# KiCad board Console.kicad_pcb (continued)
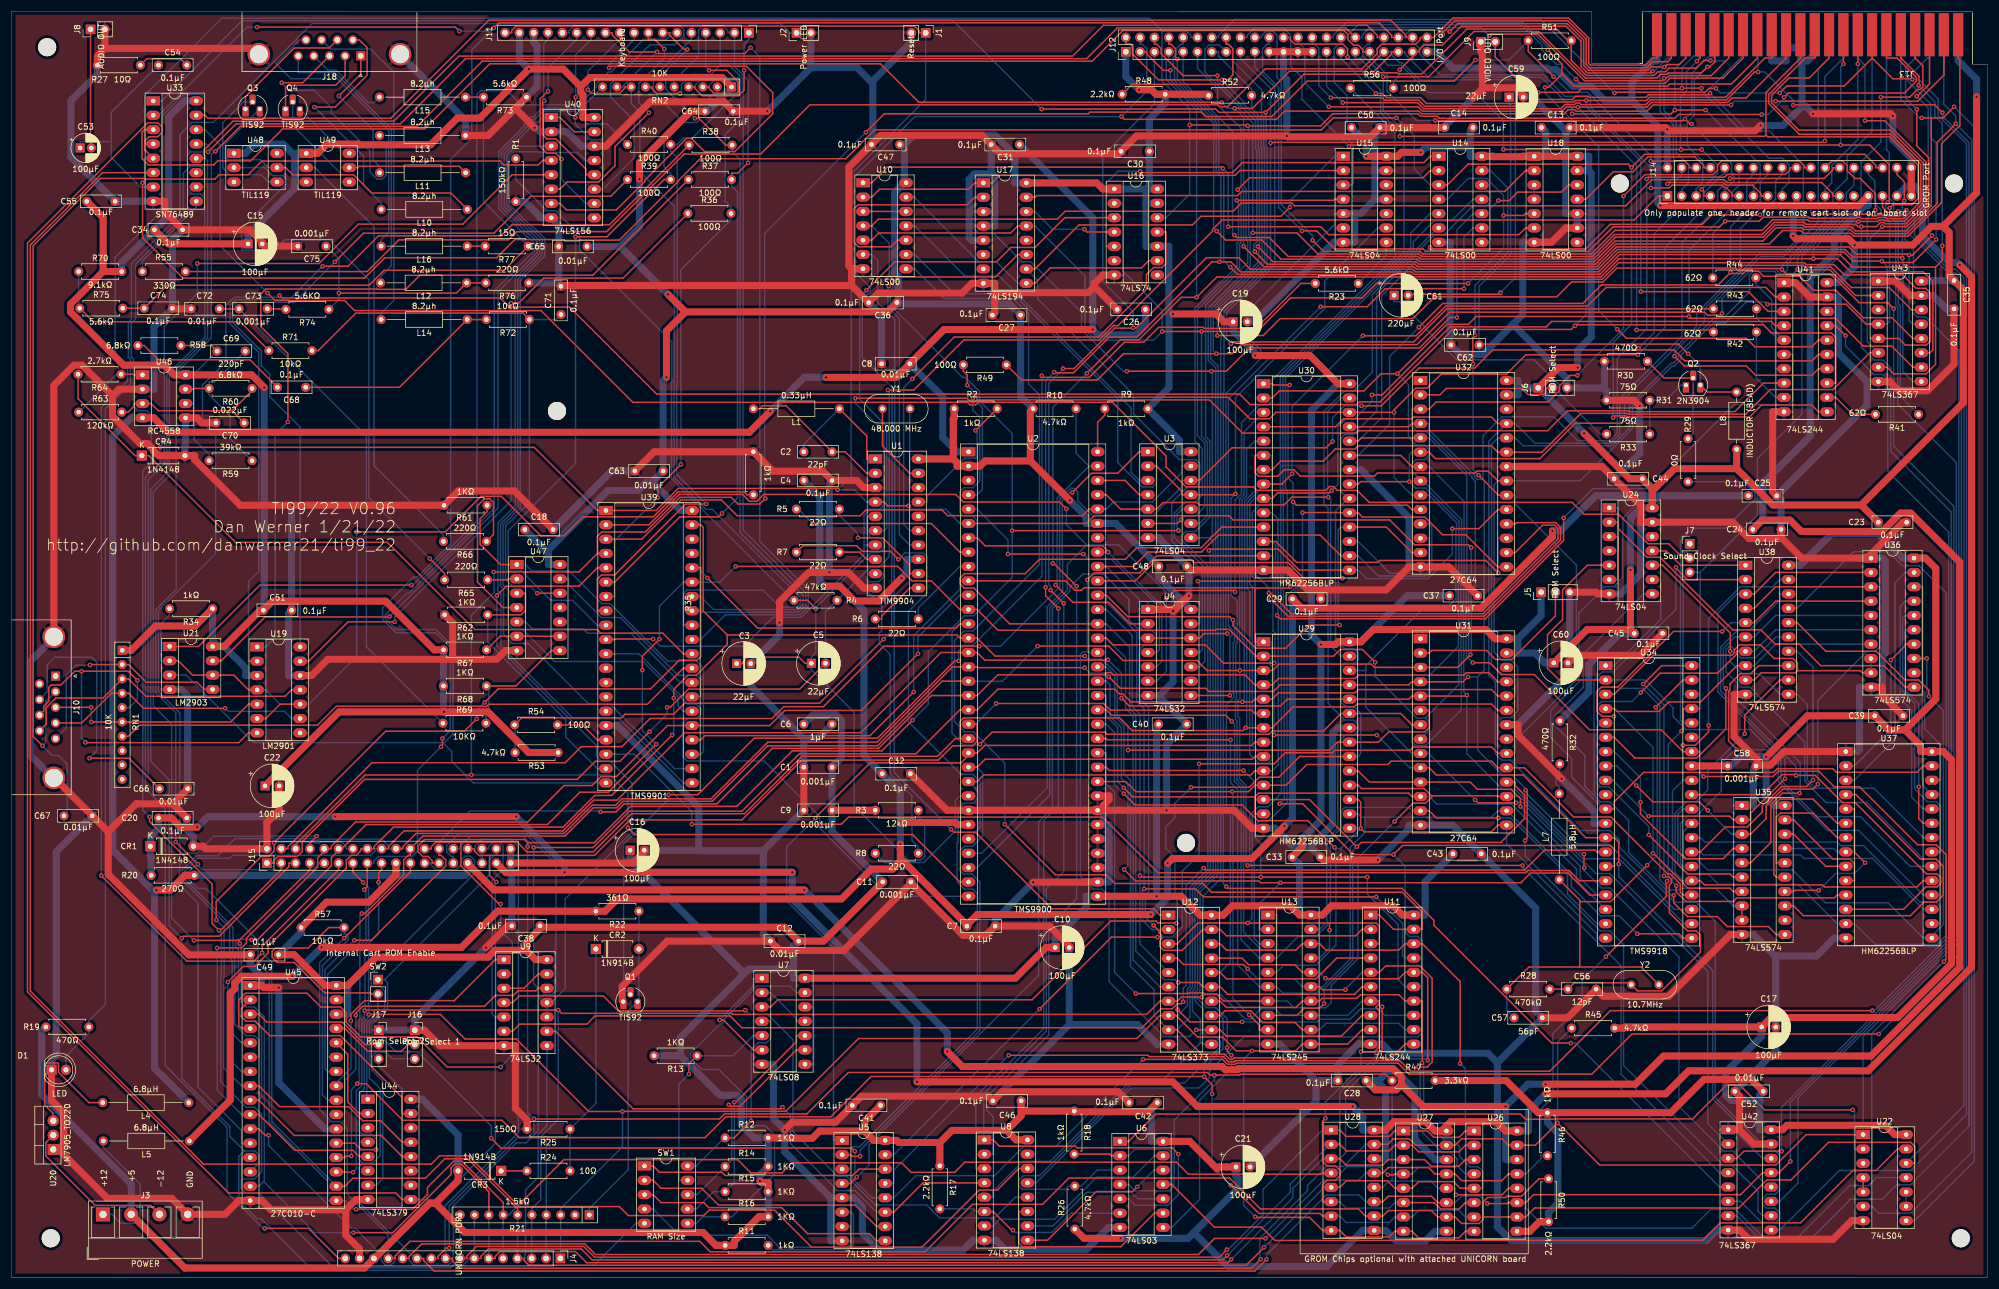
[diagram p0: board, top side]
## Routing (per net, layer and track width the routed paths; a pad name or vN(x,y) marks a point on that pad's centre or on a via; arc(x,y) is an arc through that point) (continued)
D3: length 919.5
  Top w0.25: J14.11 304.81,191.61 304.81,191.98 303.7,193.08 303.43,193.08 302.98,193.53 294.09,193.53 293.6,193.04 v1(290.36,193.04) ; v1(15.94,71.23) 31.11,56.06 42.95,56.06 v1(44.43,57.54) 44.43,58.74 57.96,72.27 57.96,73.45 ; U26.5 256.58,15.84 255.4,17.02 249.24,17.02 248.06,15.84 U27.5 245.01,15.84 243.67,17.18 236.44,17.18 235.26,16 U28.5 ; J13.42 293.98,216.04 293.33,215.39 290.66,215.39 289.59,214.32 279.49,214.32 278.89,214.92 278.89,219.39 275.66,222.63 255.61,222.63 253.53,220.54 v1(253.53,220.21) ; U12.14 214.08,48.98 215.19,47.87 227.5,47.87 228.63,49.01 U13.14 231.68,49.01 232.15,49.47 238.27,49.47 238.93,50.13 245.7,50.13 246.83,49.01 U11.14 249.88,49.01 249.88,38.11 v1(249.83,38.06) ; R21.6 89.66,12.25 80.83,21.07 76.78,21.07 73.34,17.62 60.49,17.62 59.08,16.21 U45.18 ; v1(221.85,5.37) 218.68,2.21 91.64,2.21 90.79,3.05 90.79,3.42 J4.4 ; J12.42 246.98,219.69 246.98,220.05 244.29,222.75 84.58,222.75 67.2,205.37 34.81,205.37 34.28,205.91 U33.15
  Bottom w0.25: U33.15 34.28,205.91 34.28,208.92 33.6,209.59 30.47,209.59 26.66,205.78 26.66,189.02 18.38,180.74 18.38,163.32 20.57,161.13 20.57,158.81 15.94,154.18 v1(15.94,71.23) ; 249.43,217.72 249.43,216.72 253.08,213.07 271.31,213.07 275.14,209.25 279.23,209.25 279.65,208.82 279.65,207.32 290.36,196.61 v1(290.36,193.04) ; 249.43,217.72 248.64,218.51 248.16,218.51 J12.42 ; 249.43,217.72 250.22,218.51 251.82,218.51 v1(253.53,220.21) ; v1(44.43,57.54) 46.12,55.85 46.12,27.64 U45.18 ; U26.5 260.56,15.84 260.56,18.85 259.76,19.65 258.31,19.65 256.47,21.48 256.47,23.21 255.1,24.59 253.55,24.59 250.11,28.03 250.11,37.78 v1(249.83,38.06) ; J4.4 89.61,4.6 89.66,4.64 R21.6 ; U28.5 232.21,16 232.21,15.73 v1(221.85,5.37)
D4: length 870
  Top w0.25: U13.15 231.68,51.55 232.22,51 v1(236.25,51) ; v1(61.08,12.14) 71.08,12.14 73.7,14.76 73.7,15.99 78.33,20.62 79.83,20.62 87.11,13.33 R21.7 ; v1(36.15,199.52) 40.57,203.94 71.86,203.94 83.4,215.48 191.42,215.48 196.86,220.92 235.98,220.92 236.73,220.17 236.73,219.29 237.7,218.32 238.56,218.32 239.36,217.51 239.36,217.15 J12.35 ; v1(243.77,18.23) 244.86,18.23 245.01,18.38 U27.4 ; U28.4 232.21,18.54 231.99,18.32 208.48,18.32 206.34,20.47 168.87,20.47 167.06,18.66 159.35,18.66 157.64,20.37 138.28,20.37 136.47,18.56 130.98,18.56 128.62,20.92 97.86,20.92 v1(90.32,13.38) ; v1(252.18,204.99) 252.25,204.93 296.05,204.93 v1(296.38,205.26) 297.27,204.37 v1(297.55,204.37) ; v1(249.16,37.31) 250.72,37.31 251.61,38.2 251.61,53.05 249.43,55.23 243.4,55.23 242.26,54.09 U11.5 ; v1(29.13,77.19) v1(33.05,73.26) ; U12.4 206.46,56.6 207.59,55.47 218.18,55.47 v1(218.96,54.69)
  Bottom w0.25: J12.35 240.54,215.97 240.76,215.97 243.69,213.04 243.69,212.14 243.62,212.07 243.62,210.2 248.82,204.99 v1(252.18,204.99) ; 35.87,199.41 34.46,200.83 U33.13 ; 35.87,199.41 36.03,199.41 v1(36.15,199.52) ; 35.87,199.41 35.42,198.95 35.42,166.48 29.19,160.24 29.19,121.91 25.6,118.32 25.6,103.61 29.13,100.08 v1(29.13,77.19) ; U26.4 257.51,18.38 256.02,19.87 ; 256.02,19.87 255.72,19.57 249.25,19.57 248.06,18.38 U27.4 ; 256.02,19.87 256.02,21.05 254.88,22.19 253.43,22.19 249.51,26.11 249.51,36.95 v1(249.16,37.31) ; J15.9 54.24,73.45 54.24,73.08 53.43,72.27 33.73,72.27 33.05,72.94 ; U13.15 228.63,51.55 227.22,52.96 220.69,52.96 v1(218.96,54.69) ; v1(90.32,13.38) 88.24,11.3 88.24,11.12 R21.7 87.11,9.99 87.08,9.95 J4.5 ; v1(297.55,204.37) 304.64,197.28 304.64,195.46 305.09,195.01 305.09,194.32 303.55,192.79 303.44,192.79 J14.9 ; v1(243.77,18.23) 242.33,19.67 236.53,19.67 235.4,18.54 U28.4 ; 33.05,72.94 v1(33.05,73.26) ; 33.05,72.94 32.44,72.94 31.2,71.7 31.2,70.78 33.03,68.96 34.45,68.96 43.7,59.71 43.7,55.67 45.67,53.7 45.67,27.45 56.02,17.1 56.02,13.67 U45.17 59.08,13.67 60.61,12.14 v1(61.08,12.14) ; v1(296.38,205.26) 297.59,206.46 297.59,213.32 300.6,216.34 301.2,216.34 301.5,216.04 301.6,216.04 J13.35 ; v1(236.25,51) 236.25,51.13 239.21,54.09 U11.5
D5: length 885.2
  Top w0.25: J12.38 241.9,219.69 241.9,220.05 240.12,221.84 193.4,221.84 187.94,216.38 79.27,216.38 67.73,204.84 39.23,204.84 34.12,199.73 34.12,198.91 34.28,198.75 34.28,198.29 U33.12 ; v1(299.36,192.79) 299.73,192.42 299.73,191.61 J14.7 ; R21.8 84.58,15.22 79.64,20.16 78.57,20.16 77.9,19.48 77.9,18.32 67.56,7.98 v1(60.58,7.98) ; v1(216.04,3.26) 215.44,2.66 101.88,2.66 99.91,4.63 86.55,4.63 85.71,3.79 85.71,3.42 J4.6 ; J13.38 299.06,216.04 v1(298.51,215.5) ; v1(264.23,199.84) 295.67,199.84 v1(295.69,199.82) v1(299.35,199.82) ; v1(232.71,53.06) 232.81,52.96 245.7,52.96 246.83,54.09 U11.16 249.88,54.09 250.84,53.13 v1(250.84,38.51) ; U28.3 235.26,21.08 236.39,19.95 242.87,19.95 243.84,20.92 U27.3 250.28,20.92 251.47,19.73 256.32,19.73 257.51,20.92 U26.3 ; U13.16 228.63,54.09 227.28,55.44 219.11,55.44 217.95,56.6 U12.17 ; 40.36,59.75 40.36,59.27 v1(40.45,59.18) ; 40.36,59.75 52.88,72.27 52.88,73.45 ; 40.36,59.75 v1(32.34,59.75)
  Bottom w0.25: 44.8,16.93 44.56,16.93 43.84,16.21 U45.15 ; 44.8,16.93 44.8,46.2 43.04,47.96 41.59,47.96 40.72,48.83 40.72,58.91 v1(40.45,59.18) ; 44.8,16.93 53.75,7.98 v1(60.58,7.98) ; U33.12 34.28,198.29 34.76,197.81 34.76,166.45 27.98,159.68 27.98,142.08 25.15,139.24 25.15,101.3 28.4,98.04 28.4,63.69 v1(32.34,59.75) ; J12.38 243.08,218.51 242.71,218.51 241.88,217.68 241.88,216.67 243.8,214.75 246.12,214.75 250.95,209.92 259.28,209.92 264.23,204.98 v1(264.23,199.84) ; v1(298.51,215.5) 296.66,213.64 296.66,210.19 295.6,209.13 295.6,199.92 v1(295.69,199.82) ; v1(232.71,53.06) 231.68,54.09 U13.16 ; R21.8 84.58,4.64 84.53,4.6 J4.6 ; v1(250.84,38.51) 250.57,38.78 242.19,38.78 236.28,32.87 236.28,22.1 235.26,21.08 U28.3 232.21,21.08 226.93,15.8 226.93,14.15 v1(216.04,3.26) ; v1(299.36,192.79) 302.12,195.55 302.12,197.06 v1(299.35,199.82)
D6: length 840.1
  Top w0.25: U12.3 206.46,59.14 210.15,62.83 v1(218.95,62.83) 233.45,62.83 ; U11.3 242.26,59.17 242.26,62.25 241.68,62.83 233.45,62.83 ; 233.45,62.83 v1(233.45,61.58) ; J4.7 83.17,3.42 83.17,3.79 84.47,5.09 100.94,5.09 102.85,3.17 214.53,3.17 v1(215.31,3.95) ; J13.36 301.6,218.2 301.69,218.1 301.69,215.38 300.79,214.48 v1(300.35,214.48) 299.25,213.38 293.39,213.38 293.17,213.16 292.07,213.16 291.42,212.51 278.73,212.51 270.5,220.74 259.01,220.74 250.99,212.71 v1(242.96,212.71) ; v1(242.76,47.98) 242.76,40.34 v1(242.4,39.98) ; v1(30.18,60.16) 30.52,60.49 36.8,60.49 49.16,72.85 49.16,73.45 J15.5 ; U28.2 235.26,23.62 236.42,22.46 244.01,22.46 245.01,23.46 U27.2 248.06,23.46 249.22,22.3 256.35,22.3 257.51,23.46 U26.2
  Bottom w0.25: v1(242.76,47.98) 242.26,48.48 242.26,59.17 U11.3 ; 41.28,22.46 40.29,21.47 40.29,13.68 43.51,10.46 44.21,10.46 53.37,1.3 79.06,1.3 80.82,3.05 80.82,3.42 J4.7 82,9.95 82.03,9.99 R21.9 ; 41.28,22.46 43.15,22.46 43.85,21.76 43.85,20.29 U45.14 ; 41.28,22.46 38.73,25.02 38.73,26.75 30.18,35.29 v1(30.18,60.16) 27.95,62.39 27.95,88.19 24.7,91.44 24.7,139.67 27.53,142.51 27.53,159.86 34.28,166.61 34.28,191.14 33.48,191.94 32.01,191.94 31.23,192.72 31.23,195.75 U33.11 ; v1(242.4,39.98) 235.26,32.84 235.26,23.62 U28.2 233.52,23.62 226.48,16.58 226.48,15.12 v1(215.31,3.95) ; v1(233.45,61.58) 233.45,58.39 231.68,56.62 U13.17 ; v1(300.35,214.48) 298.04,212.16 298.04,205.89 296.8,204.65 296.8,200.5 299.54,197.75 299.54,193.99 298.36,192.82 J14.5 ; J12.36 240.54,218.51 240.17,218.51 239.36,217.7 239.36,216.48 242.96,212.89 v1(242.96,212.71) 242.96,206.76 246.64,203.08 246.64,181.66 224.75,159.77 224.75,139.39 224.81,139.33 224.81,118.74 224.92,118.63 224.92,85.8 222.54,83.43 220.84,83.43 219.3,81.89 219.3,73.7 219.68,73.32 219.68,63.56 v1(218.95,62.83)
D7: length 874.5
  Top w0.25: J12.34 236.3,221.39 195.88,221.39 190.42,215.93 80.45,215.93 68.91,204.39 39.83,204.39 v1(34.85,199.41) ; v1(261.74,219.98) 262.04,220.29 270.31,220.29 278.58,212.03 292.28,212.03 v1(292.69,212.43) 293.08,212.43 293.58,212.93 301.03,212.93 304.13,216.04 J13.34 ; v1(215.27,4.98) 213.91,3.62 103.3,3.62 101.39,5.54 82.38,5.54 80.63,3.79 80.63,3.42 J4.8 ; v1(24.48,81.62) 24.48,80.81 35.56,69.73 35.56,62.75 v1(36.78,61.54) 37.07,61.54 47.8,72.27 47.8,73.45 ; U12.18 214.08,59.14 215.19,58.03 227.5,58.03 228.63,59.17 U13.18 231.68,59.17 232.83,58.02 245.68,58.02 246.83,59.17 U11.18 249.88,59.17 256.58,52.46 v1(256.58,37.91) ; U26.1 257.51,26 256.38,24.87 251.91,24.87 250.79,26 U27.1 245.01,26 244.04,25.03 236.39,25.03 235.26,26.16 U28.1
  Bottom w0.25: 31.73,196.92 30.49,195.68 30.49,188.02 22.01,179.54 22.01,169.84 21.25,169.08 21.25,163.13 21.64,162.74 21.64,154.39 22.46,153.57 23.96,153.57 24.76,152.77 24.76,144.42 23.3,142.96 23.3,82.8 v1(24.48,81.62) ; 31.73,196.92 33.6,196.92 34.28,196.23 34.28,193.21 U33.10 ; 31.73,196.92 31.19,197.45 31.19,198.78 31.82,199.41 v1(34.85,199.41) ; U28.1 232.21,26.16 221.68,15.63 221.68,11.17 215.5,4.98 v1(215.27,4.98) ; 40.88,17.48 40.74,17.34 40.74,15.78 41.58,14.94 43.88,14.94 57.07,1.75 77.78,1.75 J4.8 79.45,4.6 79.5,4.64 R21.10 ; 40.88,17.48 40.78,17.58 40.78,21.29 U45.13 ; 40.88,17.48 43.05,17.48 44.32,18.76 44.32,28.95 43.09,30.18 41.59,30.18 37.1,34.67 37.1,53.45 37.19,53.54 37.19,61.12 v1(36.78,61.54) ; J14.3 295.82,192.79 297.01,193.97 297.01,197.09 294.84,199.26 294.84,204.56 292.69,206.7 v1(292.69,212.43) ; U26.1 257.51,26 257.51,36.99 v1(256.58,37.91) ; v1(261.74,219.98) 260.28,221.44 240.56,221.44 239.18,220.05 239.18,219.69 J12.34
DBIN: length 824.8
  Top w0.25: J14.25 322.59,191.61 322.59,191.98 320.58,193.98 303.8,193.98 303.3,194.49 290.51,194.49 285.89,189.87 227.22,189.87 226.74,190.35 217.81,190.35 216.35,188.89 186.61,188.89 185.21,187.5 153.53,187.5 152.36,186.33 U10.4 ; v1(206.7,132.33) v1(177.24,132.33) ; v1(77.55,5.26) 77.03,5.26 75.55,3.79 75.55,3.42 J4.10 ; 213.07,35.9 v1(213.07,35.85) ; 213.07,35.9 217.51,35.9 217.66,36.05 243.4,36.05 R47.1 ; 213.07,35.9 212.25,35.9 211.79,36.35 148.23,36.35 140.9,29.02 126.3,29.02 125.4,28.12 v1(92.55,28.12) ; 91.43,77.06 103.24,77.06 109.66,83.48 128.48,83.48 138.31,93.32 154.16,93.32 v1(159.6,98.76) ; 91.43,77.06 90.87,77.62 73.17,77.62 72.02,76.48 72.02,75.46 72.86,74.62 73.76,74.62 74.56,73.81 74.56,73.45 75.74,73.45 ; 91.43,77.06 v1(91.43,76.35) ; U26.12 265.13,15.84 263.98,14.69 v1(255.85,14.69)
  Bottom w0.25: v1(213.07,35.85) 213.07,35.05 205.93,27.91 205.93,16.27 205.03,15.37 199.01,15.37 197.86,16.53 U6.4 ; v1(91.43,76.35) 91.43,29.2 92.51,28.12 ; U22.11 330.28,17.73 328.87,16.31 325.52,16.31 316.52,7.31 310.11,7.31 305.3,12.11 300.96,12.11 297.61,8.77 271.77,8.77 268.18,12.35 268.18,15.84 U26.12 ; 244.53,17.11 243.99,17.11 242.88,16 U28.12 ; 244.53,17.11 251.36,17.11 252.63,15.84 U27.12 255.68,15.84 255.68,14.86 v1(255.85,14.69) ; 244.53,17.11 R47.1 ; 92.51,28.12 92.51,25.86 91.55,24.9 89.75,24.9 77.55,12.71 v1(77.55,5.26) ; 92.51,28.12 v1(92.55,28.12) ; v1(159.6,98.76) 162.4,101.55 162.4,110.86 168.77,117.23 170.43,117.23 177.24,124.05 v1(177.24,132.33) 177.24,149.54 171.44,155.33 171.44,156.97 168.95,159.47 168.46,159.47 155.7,172.23 155.7,174.94 156.13,175.37 156.13,176.88 155.48,177.53 155.48,183.21 152.36,186.33 U10.4 ; v1(206.7,132.33) 206.43,132.6 206.43,135.21 207.37,136.15 U3.10
EXTINT: length 9.7
  Top w0.25: R54.2 101.13,97.92 103.78,95.27 U39.17
GBE: length 167.6
  Top w0.25: R18.2 194.51,21.9 194.81,21.61 U6.2 ; U22.13 334.03,22.81 330.22,19 326.13,19 316.85,9.71 302.62,9.71 299.51,6.6 223.76,6.6 221.4,8.96 213.04,8.96 205.48,16.53 U6.11
  Bottom w0.25: U6.2 197.86,21.61 198.99,22.73 204.85,22.73 205.48,22.1 205.48,16.53 U6.11
GREADY: length 562.5
  Top w0.25: J4.9 78.09,3.42 78.09,3.05 79.47,1.67 219.64,1.67 v1(221.23,3.27) ; U22.1 317.85,25.34 312.47,19.96 281.29,19.96 v1(273.84,27.41) 269.89,23.46 U26.15 265.13,23.46 263.98,24.61 256.83,24.61 255.68,23.46 U27.15 248.7,23.46 247.56,24.59 244.73,24.59 243.76,23.62 U28.15 ; J14.31 331.38,189.59 332.25,188.72 333.97,188.72 v1(334.14,188.89)
  Bottom w0.25: J15.31 83.36,74.62 82.99,74.62 82.14,75.47 82.14,76.43 83.37,77.66 88.43,77.66 89.81,76.28 89.81,25.72 76.83,12.74 76.83,4.68 76.92,4.6 J4.9 ; U28.15 239.83,23.62 235.92,19.71 232.91,19.71 229.54,16.35 229.54,15.42 221.13,7 221.13,3.38 v1(221.23,3.27) ; v1(273.84,27.41) 273.84,41.73 R45.1 ; U22.1 327.94,42.72 344.89,59.68 344.89,164.28 339,170.17 337.51,170.17 336.7,170.98 336.7,177.8 336.87,177.97 336.87,182.37 335.37,183.87 335.37,187.59 334.14,188.82 v1(334.14,188.89)
GRMCLK: length 526.8
  Top w0.25: J4.12 70.47,3.42 70.47,3.79 72.67,5.99 101.57,5.99 103.45,4.11 210.23,4.11 213.08,6.96 v1(222.11,6.96) ; v1(293.22,70.24) 293.07,70.09 293.07,67.55 v1(282.39,56.87) ; U28.13 242.88,18.54 243.85,19.51 250.98,19.51 252.11,18.38 U27.13 255.68,18.38 256.87,17.19 263.94,17.19 265.13,18.38 U26.13 ; U34.37 296.05,100.8 296.05,97.09 v1(295.79,96.84)
  Bottom w0.25: 299.1,124.94 309.23,135.06 309.23,145.09 317.1,152.97 317.1,180.91 326.3,190.12 J14.27 ; 299.1,124.94 J7.3 ; 299.1,124.94 299.1,100.8 U34.37 ; 78.28,73.45 78.28,74.62 77.91,74.62 77.1,75.43 77.1,76.54 79.22,78.66 91.08,78.66 96.45,73.29 96.45,50.86 95.72,50.12 94.26,50.12 93.33,49.2 93.33,26.04 91.17,23.89 89.44,23.89 78.3,12.75 78.3,4.77 78.24,4.7 78.24,3.07 77.36,2.2 71.32,2.2 70.47,3.05 70.47,3.42 J4.12 ; v1(222.11,6.96) 232.42,17.27 238.56,17.27 239.83,18.54 U28.13 ; v1(282.39,56.87) 278.17,52.65 278.17,48.4 273.01,43.24 273.01,31.96 270.91,29.86 270.91,21.61 ; v1(295.79,96.84) 293.43,94.47 293.43,70.45 v1(293.22,70.24) ; U26.13 268.18,18.38 270.91,21.11 270.91,21.61 ; 270.91,21.61 R46.1
HOLD/IAQ: length 67.2
  Top w0.25: v1(245.88,213.97) 247.88,215.97 248.16,215.97 J12.41 249.34,217.15 249.34,217.51 250.14,218.32 253.42,218.32 256.77,221.67 275.34,221.67 277.99,219.02 277.99,214.52 279.11,213.41 290.34,213.41 v1(290.65,213.71)
  Bottom w0.25: J13.41 293.98,216.04 293.3,216.04 290.98,213.71 v1(290.65,213.71) ; v1(245.88,213.97) 245.88,212.97 244.75,211.85 R56.2
HOLDA: length 52.2
  Top w0.25: v1(189.86,128.18) v1(176.5,128.18)
  Bottom w0.25: v1(176.5,128.18) 176.5,130.68 171.04,136.14 U2.5 ; v1(189.86,128.18) 190.79,127.25 194.85,127.25 203.3,118.8 203.3,111.25 202.8,110.75 U4.4
IAQ: length 52
  Top w0.25: v1(194.24,128.52) 194.24,128.67 193.26,129.65 172.45,129.65 171.04,131.06 U2.7
  Bottom w0.25: U4.5 202.8,108.21 203.75,109.16 203.75,119.01 v1(194.24,128.52)
IO_A0: length 180
  Top w0.25: U41.14 320.03,161 318.88,159.86 308.9,159.86 307.25,161.5 296.26,161.5 v1(294.53,163.23) ; v1(241.67,209.76) 242.78,209.76 243.51,209.04 249.57,209.04 250.61,207.99 268.62,207.99 269.33,208.7 276.46,208.7 277.01,209.25 279.23,209.25 279.4,209.08 289.46,209.08 289.92,209.53 300.55,209.53 v1(300.83,209.81)
  Bottom w0.25: v1(294.53,163.23) 294.53,163.96 299.83,169.26 299.83,171.62 309.77,181.56 313.92,181.56 317.35,184.99 317.35,197.1 311.3,203.15 307.49,203.15 v1(300.83,209.81) 300.83,210.66 306.64,216.47 306.68,216.47 J13.31 ; v1(241.67,209.76) 235.46,215.97 J12.31
IO_A1: length 180.9
  Top w0.25: 274.61,213.23 274.61,214.97 v1(272.09,217.49) ; 274.61,213.23 272.25,210.87 v1(271.61,210.87) ; 274.61,213.23 276.77,211.07 293.31,211.07 293.67,211.43 304.61,211.43 309.22,216.04 J13.30 ; U41.16 320.03,166.09 318.84,164.89 308.76,164.89 307.26,166.39 286,166.39 v1(284.39,168.01)
  Bottom w0.25: v1(284.39,168.01) 281.1,171.3 281.1,200.35 271.61,209.83 v1(271.61,210.87) ; v1(272.09,217.49) 272.09,217.96 267.66,222.4 236.44,222.4 234.1,220.05 234.1,219.69 J12.30
IO_A2: length 234.2
  Top w0.25: v1(230.45,183.75) 232.41,181.79 249.5,181.79 249.95,181.34 279.82,181.34 284,185.52 310.05,185.52 311.92,187.39 318.11,187.39 318.4,187.1 v1(327.13,187.1) 330.56,187.1 330.82,187.36 331.8,187.36 332,187.15 335.29,187.15 338.59,190.45 338.59,197.45 332.78,203.27 316.56,203.27 311.72,208.11 311.72,209.42 314.82,212.51 318.39,212.51 321.92,216.04 J13.20
  Bottom w0.25: v1(230.45,183.75) 230.45,184.57 224.88,190.14 224.88,211.82 224.12,212.57 224.12,220.05 223.31,220.86 222.27,220.86 221.4,219.99 221.4,219.69 J12.20 ; v1(327.13,187.1) 324.02,183.99 324.02,181.29 320.03,177.3 320.03,171.17 U41.18
IO_A3: length 435.3
  Top w0.25: J13.10 334.62,216.04 337.84,212.81 337.84,211.27 v1(337.77,211.2) ; 340.76,179.02 326.06,179.02 323.84,181.23 284.81,181.23 281.31,177.73 248.46,177.73 248.03,178.16 217.74,178.16 215.96,179.94 v1(213.94,179.94) 212.63,179.94 199.29,166.59 194.42,166.59 188.11,160.29 184.81,160.29 v1(184.69,160.41) ; 340.76,179.02 341.96,180.21 v1(341.96,182.78) ; 340.76,179.02 340.76,161.77 339.09,160.11 333.33,160.11 332.16,161.28 U43.7 ; v1(183.17,122.3) 183.17,120.8 v1(185.43,118.54)
  Bottom w0.25: v1(184.69,160.41) 183.17,158.89 v1(183.17,122.3) ; v1(213.94,179.94) 214.19,180.18 214.19,195.18 213.37,195.99 213.37,204.69 205.99,212.06 205.99,214.15 205.76,214.38 205.76,216.14 206.34,216.72 206.34,217.7 207.15,218.51 207.52,218.51 J12.10 ; v1(341.96,182.78) 341.96,204.41 340.63,205.74 340.63,208.34 v1(337.77,211.2) ; U8.3 170.81,19.34 170.81,32.11 182.83,44.13 182.83,81.02 185.43,83.62 v1(185.43,118.54)
IO_A4: length 440.3
  Top w0.25: v1(184.45,126.52) 184.62,126.52 v1(188.65,122.49) ; v1(337.44,206.96) 337.44,200.49 339.56,198.37 339.56,190.07 335.67,186.18 v1(331.31,186.18) ; v1(190.47,160.2) 196.42,166.14 199.68,166.14 207.19,173.65 v1(209.89,173.65) 213.51,177.26 247.66,177.26 248.08,176.83 281.68,176.83 284.64,179.78 317.53,179.78 317.87,179.45 322.79,179.45 324.6,177.65 334.93,177.65 337.33,175.25 339.02,175.25 339.83,174.45 339.83,165.91 339.1,165.19 335.41,165.19 334.24,166.36 U43.5
  Bottom w0.25: v1(337.44,206.96) 335.47,208.93 335.47,214.35 337.16,216.04 J13.7 ; v1(331.31,186.18) 329.11,183.98 329.11,166.36 U43.5 ; v1(188.65,122.49) 188.65,67.13 183.74,62.22 183.74,43.02 172.68,31.96 172.68,29.71 173.86,28.52 173.86,21.88 U8.2 ; J12.7 204.98,215.97 204.54,215.53 204.54,212.24 209.89,206.89 v1(209.89,173.65) ; v1(190.47,160.2) 184.45,154.17 v1(184.45,126.52)
IO_A5: length 472.1
  Top w0.25: v1(186.24,161.04) 188.22,161.04 195.38,168.2 198.6,168.2 v1(198.66,168.25) 199.23,168.25 211.65,180.67 217.39,180.67 219.45,178.61 248.22,178.61 248.64,178.18 281.13,178.18 284.62,181.68 324.56,181.68 326.17,180.07 v1(331.26,180.07) 331.51,179.82 336.78,179.82 v1(340.86,183.9) ; v1(186.38,119.45) v1(184.06,121.77) ; v1(206.67,21.89) 205.54,23.02 188.71,23.02 188.43,23.29 174.99,23.29 173.86,24.42 U8.1
  Bottom w0.25: J13.5 339.69,216.04 339.34,216.04 335.92,212.61 335.92,211.89 339.91,207.89 339.91,201.96 340.86,201.01 v1(340.86,183.9) ; J12.5 202.44,207.96 193.29,198.81 193.29,176.44 198.66,171.07 v1(198.66,168.25) ; v1(186.24,161.04) 186.24,160.93 183.72,158.41 183.72,122.77 184.06,122.44 v1(184.06,121.77) ; U43.3 332.16,171.44 332.16,179.17 v1(331.26,180.07) ; v1(206.67,21.89) 206.67,14.71 204.8,12.84 199.01,12.84 197.86,13.99 U6.5 ; v1(186.38,119.45) 186.38,71.96 183.29,68.87 183.29,43.69 172.2,32.6 172.2,24.55 U8.1
IO_A6: length 364.1
  Top w0.25: v1(341.99,206.36) 340.59,207.76 315.65,207.76 v1(315.57,207.68) ; v1(309.34,213.58) 308.7,213.58 303.76,208.63 290.29,208.63 289.46,207.8 277.98,207.8 277.71,208.07 277.11,208.07 276.83,207.8 275.14,207.8 274.41,207.07 250.11,207.07 249.04,208.13 v1(235.8,208.13)
  Bottom w0.25: U42.7 305.56,10.98 309.74,6.8 318.61,6.8 325.72,13.92 331.35,13.92 333.89,16.46 336.3,16.46 346.69,26.84 346.69,201.03 341.99,205.73 v1(341.99,206.36) ; v1(315.57,207.68) 315.57,208.51 310.51,213.58 v1(309.34,213.58) 309.34,215.91 309.22,216.04 J13.29 ; v1(235.8,208.13) 232.92,211.02 J12.29
IO_A7: length 383.7
  Top w0.25: v1(215.16,69.27) 215.47,68.96 246.27,68.96 251.92,63.31 251.92,62.43 272.78,41.57 v1(276.17,41.57) ; v1(321.19,201.35) 320.94,201.11 223.1,201.11 v1(223,201.01)
  Bottom w0.25: J12.17 217.68,215.97 223,210.65 v1(223,201.01) 223,179.35 214.76,171.11 214.76,156.92 214.64,156.8 214.64,69.79 v1(215.16,69.27) ; v1(321.19,201.35) 321.19,212.77 324.46,216.04 J13.17 ; U42.5 302.51,16.06 277,41.57 v1(276.17,41.57)
IO_A8: length 371
  Top w0.25: 329.54,216.04 333.2,212.37 336.53,212.37 v1(336.64,212.26) ; 329.54,216.04 324.6,211.1 314.43,211.1 v1(313.19,209.86) ; 329.54,216.04 J13.14 ; v1(301.86,210.67) 300.65,210.67 299.96,209.98 284.05,209.98 v1(283.91,209.85)
  Bottom w0.25: U42.9 313.18,8.44 323.74,19 336.33,19 346.24,28.9 346.24,200.84 341.23,205.85 341.23,208.81 337.78,212.26 v1(336.64,212.26) ; v1(313.19,209.86) 302.67,209.86 v1(301.86,210.67) ; J12.14 213.78,219.69 213.78,220.05 216.6,222.88 270.88,222.88 v1(283.91,209.85)
IO_A9: length 354.8
  Top w0.25: v1(332.29,190.46) 332.56,190.73 332.56,197.18 329.1,200.63 v1(323.97,200.63) 237.15,200.63 v1(236.9,200.38) ; v1(324.46,214.99) J13.18
  Bottom w0.25: v1(236.9,200.38) 228.56,208.72 228.56,212.58 226.57,214.58 226.57,220.08 225.34,221.31 220.12,221.31 218.86,220.05 218.86,219.69 J12.18 ; v1(323.97,200.63) 323.97,214.5 v1(324.46,214.99) ; v1(332.29,190.46) 331.9,190.07 331.9,188.78 333.7,186.97 333.7,172.33 334.07,171.97 334.07,154.74 344.44,144.37 344.44,59.86 316.39,31.81 316.39,16.73 313.18,13.52 U42.11
IO_A10: length 225.8
  Top w0.25: v1(213.62,212.94) 207.5,212.94 203.62,216.82 203.62,217.7 202.81,218.51 202.44,218.51 J12.6 ; J13.6 339.69,211.46 337.5,209.26 v1(337.42,209.26) ; v1(340.13,184.59) 336.66,181.12 v1(336.09,181.12) 335.9,181.31 326.71,181.31 325.43,182.58 284.25,182.58 280.75,179.08 249.02,179.08 248.59,179.51 222.46,179.51 v1(220.22,181.75)
  Bottom w0.25: v1(213.62,212.94) 213.62,211.91 217.8,207.73 217.8,207.5 220.35,204.95 220.35,199.89 220.58,199.66 220.58,183.49 220.03,182.94 220.03,181.95 v1(220.22,181.75) ; v1(336.09,181.12) 336.09,169.54 336.73,168.9 U43.13 ; v1(337.42,209.26) 339.46,207.22 339.46,185.26 v1(340.13,184.59)
IO_A11: length 239.5
  Top w0.25: J13.8 337.16,216.04 338.51,214.69 338.51,210.91 338.07,210.47 337.55,210.47 336.19,209.12 v1(331.08,209.12) ; v1(215.87,179) 217.17,177.71 247.84,177.71 248.27,177.28 281.5,177.28 284.72,180.5 v1(319.13,180.5) 323.38,180.5 325.71,178.17 338.6,178.17 340.28,176.49 340.28,164.32 339.78,163.82 U43.11 ; v1(206.49,215.84) 206.16,216.17 206.16,217.7 205.35,218.51 204.98,218.51 J12.8
  Bottom w0.25: v1(319.13,180.5) 319.13,182.18 327.57,190.61 327.57,197.61 331.08,201.12 v1(331.08,209.12) ; v1(215.87,179) 214.72,180.15 214.72,195.28 213.82,196.18 213.82,204.87 206.49,212.2 v1(206.49,215.84)
IO_A12: length 223.2
  Top w0.25: v1(334.89,180.58) 334.68,180.8 326.08,180.8 324.75,182.13 284.43,182.13 280.94,178.63 248.83,178.63 248.4,179.06 221.84,179.06 v1(218.22,182.68)
  Bottom w0.25: J12.11 210.06,215.97 210.06,215.97 210.06,214.19 213.62,210.63 213.62,207.77 217.77,203.61 217.77,193.15 218.22,192.7 218.22,182.68 v1(218.22,182.68) ; U43.9 336.73,158.74 334.97,160.5 334.97,180.5 v1(334.89,180.58) 334.89,187.06 333.35,188.6 333.35,190.46 332.56,191.25 332.56,199.33 332.07,199.82 J13.11
IO_A13: length 396.9
  Top w0.25: v1(328.26,204.94) 331.74,204.94 339.06,197.62 339.06,190.21 335.53,186.68 331.84,186.68 331.61,186.91 331.01,186.91 330.29,186.18 v1(327.63,186.18) 327.01,186.18 326.61,186.58 317.84,186.58 317.49,186.93 312.2,186.93 310.05,184.78 283.9,184.78 280.01,180.89 249.76,180.89 249.31,181.34 231.4,181.34 227.65,185.08 v1(219.85,185.08) ; v1(313.48,22.41) 306.83,22.41 305.56,21.14 U42.3
  Bottom w0.25: J13.15 327,216.04 328.26,214.77 v1(328.26,204.94) ; v1(219.85,185.08) 219.85,204.58 217.35,207.08 217.35,207.54 211.38,213.51 211.38,217.59 212.13,218.34 213.95,218.34 J12.15 ; v1(313.48,22.41) 313.48,30.18 343.54,60.23 343.54,135.66 332.87,146.33 332.87,161.11 331.42,162.55 329.9,162.55 327.63,164.82 v1(327.63,186.18)
IO_A14: length 833
  Top w0.25: v1(261.39,13.13) 264.96,13.13 265.13,13.3 U26.11 268.18,13.3 269.6,14.71 306.24,14.71 310.13,18.6 U42.13 313.18,18.6 313.18,18.73 v1(315.05,20.6) ; v1(213.58,166.89) 221.71,166.89 224.7,169.88 248.21,169.88 252.08,173.75 273.69,173.75 276.33,176.38 281.87,176.38 284.32,178.83 305.41,178.83 305.91,178.33 306.51,178.33 306.95,178.77 313.4,178.77 v1(313.58,178.59) 314.34,177.83 322.12,177.83 327.24,172.71 332.3,172.71 v1(333.35,171.66) ; v1(222.29,3.26) 220.21,1.19 74.88,1.19 73.01,3.05 73.01,3.42 J4.11 ; J12.16 215.14,218.51 215.51,218.51 216.32,217.7 216.32,213.07 214.63,211.38 198.48,211.38 R48.1 ; v1(327,214.99) J13.16 ; U27.11 252.63,13.3 251.5,14.43 243.85,14.43 242.88,13.46 U28.11 ; v1(45.56,25.23) 44.97,25.23 43.84,26.37 U45.11
  Bottom w0.25: U44.4 61.61,24 61.61,20.93 62.25,20.28 ; 62.25,20.28 63.97,20.28 65.33,21.65 65.33,33.47 63.41,35.39 63.41,45.02 66.13,47.74 66.13,50.78 65.29,51.62 63.9,51.62 63.76,51.76 63.76,53.84 65.95,56.04 66.46,56.04 82.04,71.62 82.04,73.91 81.27,74.68 80.36,74.68 79.64,73.97 79.64,73.14 78.77,72.27 75.18,72.27 74.38,73.08 74.38,73.45 J15.23 ; 62.25,20.28 61.56,19.59 61.56,13.38 69.56,5.38 ; v1(333.35,171.66) 333.35,147.29 343.99,136.65 343.99,60.05 315.05,31.11 v1(315.05,20.6) ; 69.56,5.38 67.97,3.78 67.97,2.96 67.21,2.2 66.31,2.2 65.48,3.03 65.48,4.09 61.57,8.01 61.57,8.12 60.92,8.76 60.23,8.76 45.56,23.44 v1(45.56,25.23) ; 69.56,5.38 71.52,3.42 J4.11 ; v1(222.29,3.26) 222.29,4.08 232.86,14.65 238.64,14.65 239.83,13.46 U28.11 ; U27.11 255.68,13.3 256.87,14.49 260.04,14.49 v1(261.39,13.13) ; J12.16 215.14,218.51 215.51,218.51 216.32,217.7 216.32,215.52 221.4,210.43 221.4,205.93 221.78,205.55 221.78,200.37 221.93,200.22 221.93,179.74 213.58,171.4 v1(213.58,166.89) ; v1(313.58,178.59) 313.58,179.31 321.22,186.95 J14.23 321.22,192.79 322.4,193.96 322.4,197 327,201.6 v1(327,214.99)